# Altium PCB VALVEBOARD_Kun.PcbDoc (part 1 of 13) (continued)
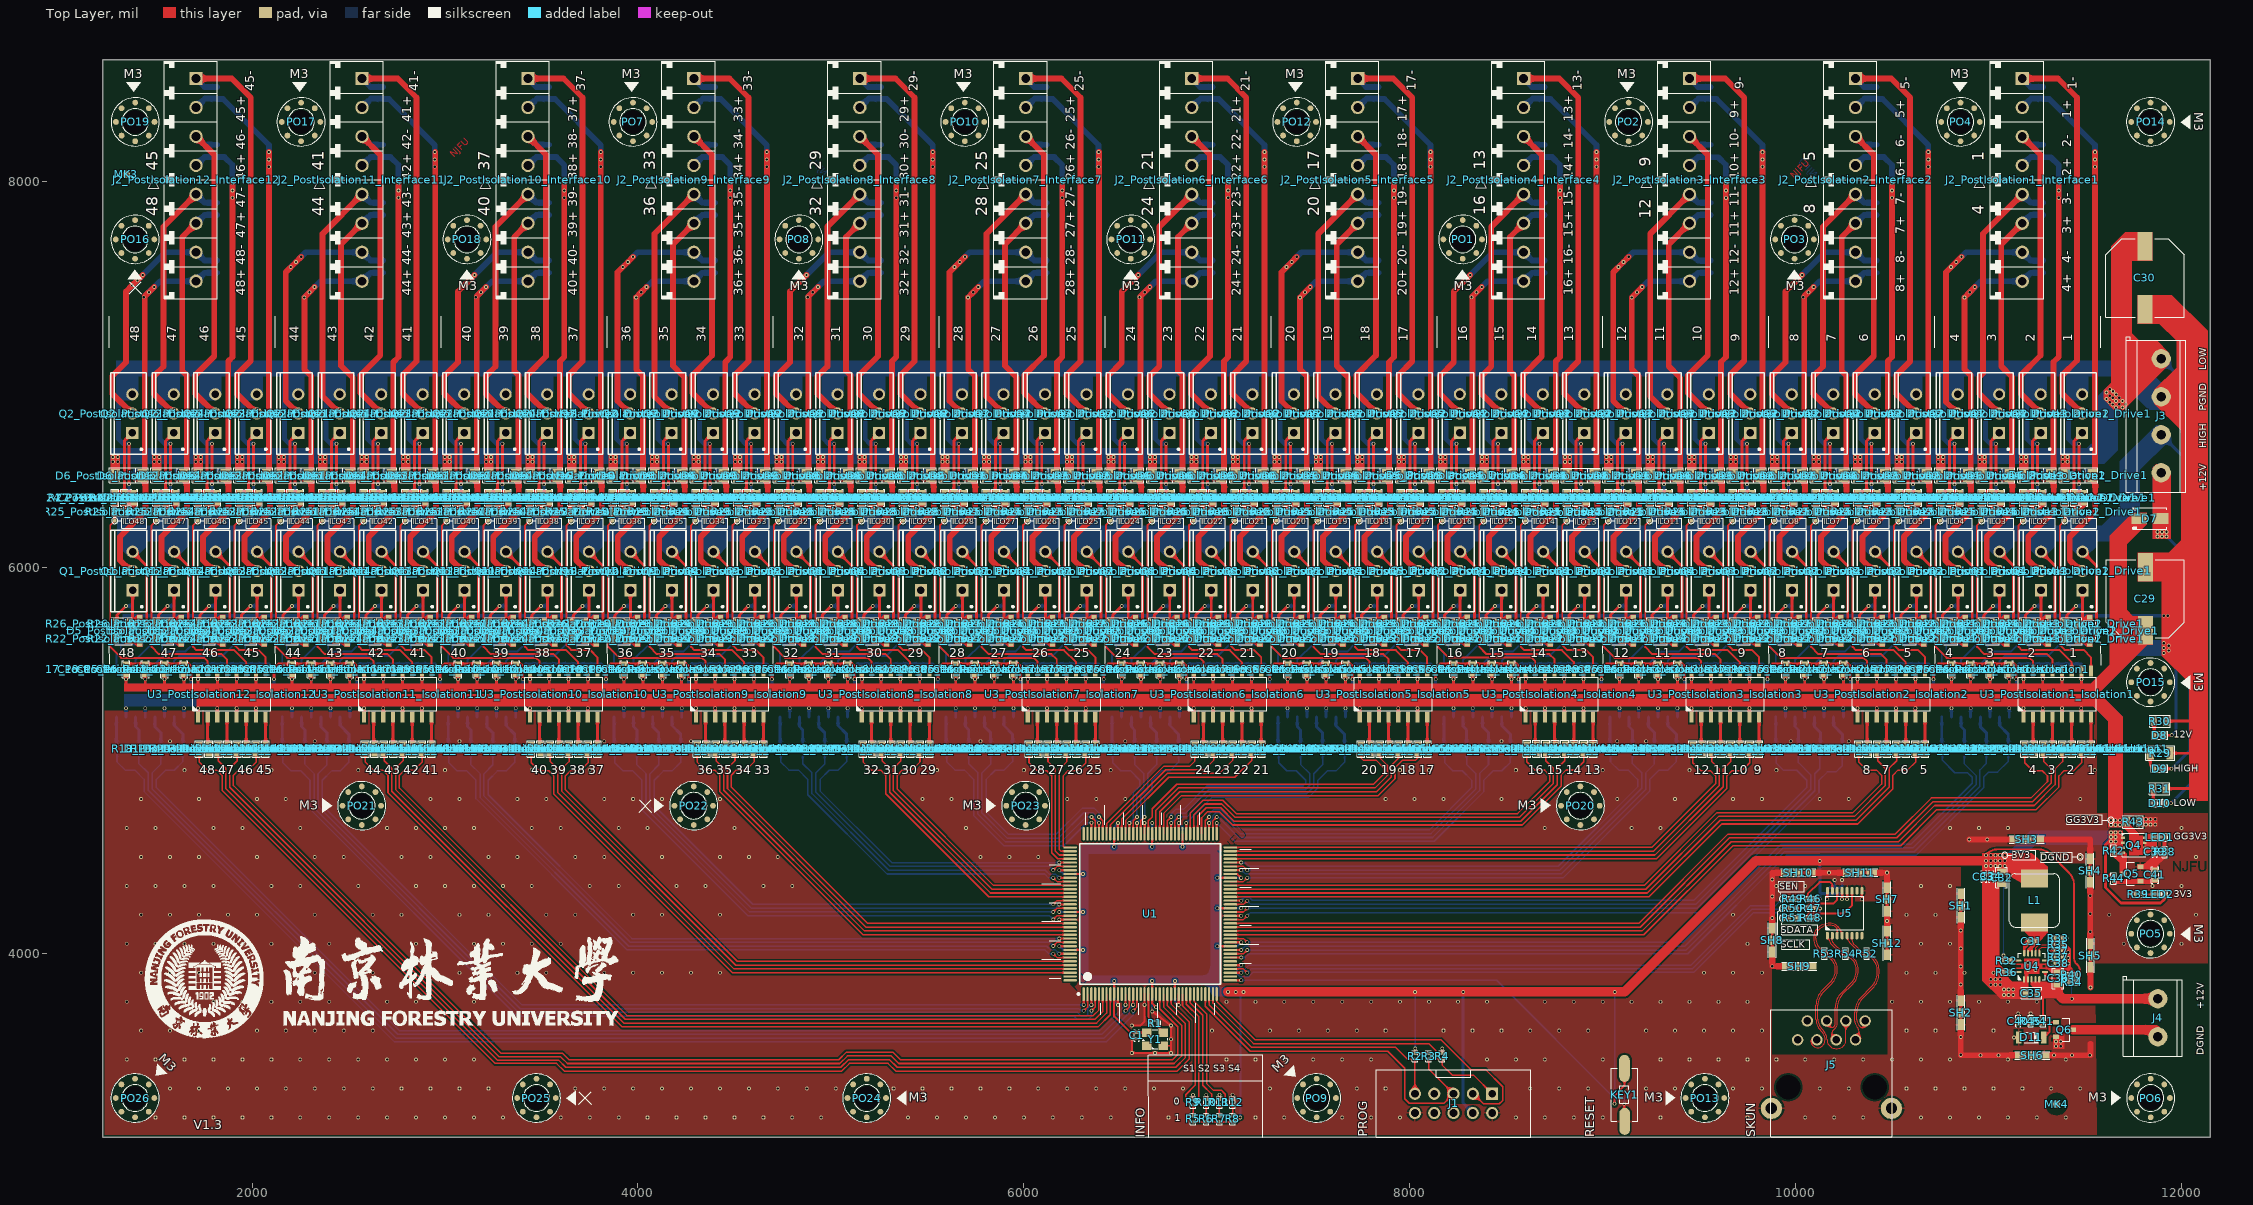
[diagram p0: Top Layer view]
## Design rules (kind name [scope] priority, off if disabled: settings) (continued)
RoomDefinition PostIsolation11_Interface11 [InComponentClass('PostIsolation11_Interface11')] p73 off: confinementstyle=ConfineIn formatcopy=TRUE lockcomponents=FALSE outline 2968.4,7008.52 2968.4,8631.57 2118.34,8631.57 2118.34,7008.52
RoomDefinition PostIsolation11_Drive4 [InComponentClass('PostIsolation11_Drive4')] p74 off: confinementstyle=ConfineIn formatcopy=TRUE lockcomponents=FALSE outline 2322.8,5585.3 2322.8,7008.45 2118.34,7008.45 2118.34,5585.3
RoomDefinition PostIsolation11_Drive3 [InComponentClass('PostIsolation11_Drive3')] p75 off: confinementstyle=ConfineIn formatcopy=TRUE lockcomponents=FALSE outline 2537.81,5585.3 2537.81,7008.45 2333.35,7008.45 2333.35,5585.3
RoomDefinition PostIsolation11_Drive2 [InComponentClass('PostIsolation11_Drive2')] p76 off: confinementstyle=ConfineIn formatcopy=TRUE lockcomponents=FALSE outline 2752.83,5585.3 2752.83,7008.45 2548.37,7008.45 2548.37,5585.3
RoutingVias [All] p1: holewidth=11.81 width=19.68 viastyle="Through Hole" minholewidth=11.81 minwidth=19.68 maxholewidth=11.81 maxwidth=19.68
SilkToSilkClearance [All] p1 off: silktosilkclearance=10
SilkToSolderMaskClearance [IsPad] p1 off: minsilkscreentomaskgap=10 clearancetoexposedcopper=TRUE
SolderMaskExpansion SolderMaskExpansion_1 [IsVia] p1: expansion=4 istentingtop=TRUE
SolderMaskExpansion [All] p2: expansion=1.97 istentingtop=FALSE
Width [All] p1: maxlimit=100 minlimit=5 preferedwidth=10
23 further rules are at their usual default settings.

## Classes and differential pairs
component class PostIsolation12_Isolation12: C15_PostIsolation12_Isolation12 C16_PostIsolation12_Isolation12 C17_PostIsolation12_Isolation12 C18_PostIsolation12_Isolation12 C19_PostIsolation12_Isolation12 C20_PostIsolation12_Isolation12 C21_PostIsolation12_Isolation12 C22_PostIsolation12_Isolation12 D1_PostIsolation12_Isolation12 D2_PostIsolation12_Isolation12 D3_PostIsolation12_Isolation12 D4_PostIsolation12_Isolation12 R14_PostIsolation12_Isolation12 R15_PostIsolation12_Isolation12 R16_PostIsolation12_Isolation12 R17_PostIsolation12_Isolation12 R18_PostIsolation12_Isolation12 R19_PostIsolation12_Isolation12 R20_PostIsolation12_Isolation12 R21_PostIsolation12_Isolation12 U2_PostIsolation12_Isolation12 U3_PostIsolation12_Isolation12
component class PostIsolation12_Interface12: C23_PostIsolation12_Interface12 C24_PostIsolation12_Interface12 C25_PostIsolation12_Interface12 C26_PostIsolation12_Interface12 J2_PostIsolation12_Interface12
component class PostIsolation12_Drive4: C27_PostIsolation12_Drive4 C28_PostIsolation12_Drive4 D5_PostIsolation12_Drive4 D6_PostIsolation12_Drive4 Q1_PostIsolation12_Drive4 Q2_PostIsolation12_Drive4 Q3_PostIsolation12_Drive4 R22_PostIsolation12_Drive4 R23_PostIsolation12_Drive4 R24_PostIsolation12_Drive4 R25_PostIsolation12_Drive4 R26_PostIsolation12_Drive4 R27_PostIsolation12_Drive4 R28_PostIsolation12_Drive4
component class PostIsolation12_Drive3: C27_PostIsolation12_Drive3 C28_PostIsolation12_Drive3 D5_PostIsolation12_Drive3 D6_PostIsolation12_Drive3 Q1_PostIsolation12_Drive3 Q2_PostIsolation12_Drive3 Q3_PostIsolation12_Drive3 R22_PostIsolation12_Drive3 R23_PostIsolation12_Drive3 R24_PostIsolation12_Drive3 R25_PostIsolation12_Drive3 R26_PostIsolation12_Drive3 R27_PostIsolation12_Drive3 R28_PostIsolation12_Drive3
component class PostIsolation12_Drive2: C27_PostIsolation12_Drive2 C28_PostIsolation12_Drive2 D5_PostIsolation12_Drive2 D6_PostIsolation12_Drive2 Q1_PostIsolation12_Drive2 Q2_PostIsolation12_Drive2 Q3_PostIsolation12_Drive2 R22_PostIsolation12_Drive2 R23_PostIsolation12_Drive2 R24_PostIsolation12_Drive2 R25_PostIsolation12_Drive2 R26_PostIsolation12_Drive2 R27_PostIsolation12_Drive2 R28_PostIsolation12_Drive2
component class PostIsolation12_Drive1: C27_PostIsolation12_Drive1 C28_PostIsolation12_Drive1 D5_PostIsolation12_Drive1 D6_PostIsolation12_Drive1 Q1_PostIsolation12_Drive1 Q2_PostIsolation12_Drive1 Q3_PostIsolation12_Drive1 R22_PostIsolation12_Drive1 R23_PostIsolation12_Drive1 R24_PostIsolation12_Drive1 R25_PostIsolation12_Drive1 R26_PostIsolation12_Drive1 R27_PostIsolation12_Drive1 R28_PostIsolation12_Drive1
component class PostIsolation11_Isolation11: C15_PostIsolation11_Isolation11 C16_PostIsolation11_Isolation11 C17_PostIsolation11_Isolation11 C18_PostIsolation11_Isolation11 C19_PostIsolation11_Isolation11 C20_PostIsolation11_Isolation11 C21_PostIsolation11_Isolation11 C22_PostIsolation11_Isolation11 D1_PostIsolation11_Isolation11 D2_PostIsolation11_Isolation11 D3_PostIsolation11_Isolation11 D4_PostIsolation11_Isolation11 R14_PostIsolation11_Isolation11 R15_PostIsolation11_Isolation11 R16_PostIsolation11_Isolation11 R17_PostIsolation11_Isolation11 R18_PostIsolation11_Isolation11 R19_PostIsolation11_Isolation11 R20_PostIsolation11_Isolation11 R21_PostIsolation11_Isolation11 U2_PostIsolation11_Isolation11 U3_PostIsolation11_Isolation11
component class PostIsolation11_Interface11: C23_PostIsolation11_Interface11 C24_PostIsolation11_Interface11 C25_PostIsolation11_Interface11 C26_PostIsolation11_Interface11 J2_PostIsolation11_Interface11
component class PostIsolation11_Drive4: C27_PostIsolation11_Drive4 C28_PostIsolation11_Drive4 D5_PostIsolation11_Drive4 D6_PostIsolation11_Drive4 Q1_PostIsolation11_Drive4 Q2_PostIsolation11_Drive4 Q3_PostIsolation11_Drive4 R22_PostIsolation11_Drive4 R23_PostIsolation11_Drive4 R24_PostIsolation11_Drive4 R25_PostIsolation11_Drive4 R26_PostIsolation11_Drive4 R27_PostIsolation11_Drive4 R28_PostIsolation11_Drive4
component class PostIsolation11_Drive3: C27_PostIsolation11_Drive3 C28_PostIsolation11_Drive3 D5_PostIsolation11_Drive3 D6_PostIsolation11_Drive3 Q1_PostIsolation11_Drive3 Q2_PostIsolation11_Drive3 Q3_PostIsolation11_Drive3 R22_PostIsolation11_Drive3 R23_PostIsolation11_Drive3 R24_PostIsolation11_Drive3 R25_PostIsolation11_Drive3 R26_PostIsolation11_Drive3 R27_PostIsolation11_Drive3 R28_PostIsolation11_Drive3
component class PostIsolation11_Drive2: C27_PostIsolation11_Drive2 C28_PostIsolation11_Drive2 D5_PostIsolation11_Drive2 D6_PostIsolation11_Drive2 Q1_PostIsolation11_Drive2 Q2_PostIsolation11_Drive2 Q3_PostIsolation11_Drive2 R22_PostIsolation11_Drive2 R23_PostIsolation11_Drive2 R24_PostIsolation11_Drive2 R25_PostIsolation11_Drive2 R26_PostIsolation11_Drive2 R27_PostIsolation11_Drive2 R28_PostIsolation11_Drive2
component class PostIsolation11_Drive1: C27_PostIsolation11_Drive1 C28_PostIsolation11_Drive1 D5_PostIsolation11_Drive1 D6_PostIsolation11_Drive1 Q1_PostIsolation11_Drive1 Q2_PostIsolation11_Drive1 Q3_PostIsolation11_Drive1 R22_PostIsolation11_Drive1 R23_PostIsolation11_Drive1 R24_PostIsolation11_Drive1 R25_PostIsolation11_Drive1 R26_PostIsolation11_Drive1 R27_PostIsolation11_Drive1 R28_PostIsolation11_Drive1
component class PostIsolation10_Isolation10: C15_PostIsolation10_Isolation10 C16_PostIsolation10_Isolation10 C17_PostIsolation10_Isolation10 C18_PostIsolation10_Isolation10 C19_PostIsolation10_Isolation10 C20_PostIsolation10_Isolation10 C21_PostIsolation10_Isolation10 C22_PostIsolation10_Isolation10 D1_PostIsolation10_Isolation10 D2_PostIsolation10_Isolation10 D3_PostIsolation10_Isolation10 D4_PostIsolation10_Isolation10 R14_PostIsolation10_Isolation10 R15_PostIsolation10_Isolation10 R16_PostIsolation10_Isolation10 R17_PostIsolation10_Isolation10 R18_PostIsolation10_Isolation10 R19_PostIsolation10_Isolation10 R20_PostIsolation10_Isolation10 R21_PostIsolation10_Isolation10 U2_PostIsolation10_Isolation10 U3_PostIsolation10_Isolation10
component class PostIsolation10_Interface10: C23_PostIsolation10_Interface10 C24_PostIsolation10_Interface10 C25_PostIsolation10_Interface10 C26_PostIsolation10_Interface10 J2_PostIsolation10_Interface10
component class PostIsolation10_Drive4: C27_PostIsolation10_Drive4 C28_PostIsolation10_Drive4 D5_PostIsolation10_Drive4 D6_PostIsolation10_Drive4 Q1_PostIsolation10_Drive4 Q2_PostIsolation10_Drive4 Q3_PostIsolation10_Drive4 R22_PostIsolation10_Drive4 R23_PostIsolation10_Drive4 R24_PostIsolation10_Drive4 R25_PostIsolation10_Drive4 R26_PostIsolation10_Drive4 R27_PostIsolation10_Drive4 R28_PostIsolation10_Drive4
component class PostIsolation10_Drive3: C27_PostIsolation10_Drive3 C28_PostIsolation10_Drive3 D5_PostIsolation10_Drive3 D6_PostIsolation10_Drive3 Q1_PostIsolation10_Drive3 Q2_PostIsolation10_Drive3 Q3_PostIsolation10_Drive3 R22_PostIsolation10_Drive3 R23_PostIsolation10_Drive3 R24_PostIsolation10_Drive3 R25_PostIsolation10_Drive3 R26_PostIsolation10_Drive3 R27_PostIsolation10_Drive3 R28_PostIsolation10_Drive3
component class PostIsolation10_Drive2: C27_PostIsolation10_Drive2 C28_PostIsolation10_Drive2 D5_PostIsolation10_Drive2 D6_PostIsolation10_Drive2 Q1_PostIsolation10_Drive2 Q2_PostIsolation10_Drive2 Q3_PostIsolation10_Drive2 R22_PostIsolation10_Drive2 R23_PostIsolation10_Drive2 R24_PostIsolation10_Drive2 R25_PostIsolation10_Drive2 R26_PostIsolation10_Drive2 R27_PostIsolation10_Drive2 R28_PostIsolation10_Drive2
component class PostIsolation10_Drive1: C27_PostIsolation10_Drive1 C28_PostIsolation10_Drive1 D5_PostIsolation10_Drive1 D6_PostIsolation10_Drive1 Q1_PostIsolation10_Drive1 Q2_PostIsolation10_Drive1 Q3_PostIsolation10_Drive1 R22_PostIsolation10_Drive1 R23_PostIsolation10_Drive1 R24_PostIsolation10_Drive1 R25_PostIsolation10_Drive1 R26_PostIsolation10_Drive1 R27_PostIsolation10_Drive1 R28_PostIsolation10_Drive1
component class PostIsolation9_Isolation9: C15_PostIsolation9_Isolation9 C16_PostIsolation9_Isolation9 C17_PostIsolation9_Isolation9 C18_PostIsolation9_Isolation9 C19_PostIsolation9_Isolation9 C20_PostIsolation9_Isolation9 C21_PostIsolation9_Isolation9 C22_PostIsolation9_Isolation9 D1_PostIsolation9_Isolation9 D2_PostIsolation9_Isolation9 D3_PostIsolation9_Isolation9 D4_PostIsolation9_Isolation9 R14_PostIsolation9_Isolation9 R15_PostIsolation9_Isolation9 R16_PostIsolation9_Isolation9 R17_PostIsolation9_Isolation9 R18_PostIsolation9_Isolation9 R19_PostIsolation9_Isolation9 R20_PostIsolation9_Isolation9 R21_PostIsolation9_Isolation9 U2_PostIsolation9_Isolation9 U3_PostIsolation9_Isolation9
component class PostIsolation9_Interface9: C23_PostIsolation9_Interface9 C24_PostIsolation9_Interface9 C25_PostIsolation9_Interface9 C26_PostIsolation9_Interface9 J2_PostIsolation9_Interface9
component class PostIsolation9_Drive4: C27_PostIsolation9_Drive4 C28_PostIsolation9_Drive4 D5_PostIsolation9_Drive4 D6_PostIsolation9_Drive4 Q1_PostIsolation9_Drive4 Q2_PostIsolation9_Drive4 Q3_PostIsolation9_Drive4 R22_PostIsolation9_Drive4 R23_PostIsolation9_Drive4 R24_PostIsolation9_Drive4 R25_PostIsolation9_Drive4 R26_PostIsolation9_Drive4 R27_PostIsolation9_Drive4 R28_PostIsolation9_Drive4
component class PostIsolation9_Drive3: C27_PostIsolation9_Drive3 C28_PostIsolation9_Drive3 D5_PostIsolation9_Drive3 D6_PostIsolation9_Drive3 Q1_PostIsolation9_Drive3 Q2_PostIsolation9_Drive3 Q3_PostIsolation9_Drive3 R22_PostIsolation9_Drive3 R23_PostIsolation9_Drive3 R24_PostIsolation9_Drive3 R25_PostIsolation9_Drive3 R26_PostIsolation9_Drive3 R27_PostIsolation9_Drive3 R28_PostIsolation9_Drive3
component class PostIsolation9_Drive2: C27_PostIsolation9_Drive2 C28_PostIsolation9_Drive2 D5_PostIsolation9_Drive2 D6_PostIsolation9_Drive2 Q1_PostIsolation9_Drive2 Q2_PostIsolation9_Drive2 Q3_PostIsolation9_Drive2 R22_PostIsolation9_Drive2 R23_PostIsolation9_Drive2 R24_PostIsolation9_Drive2 R25_PostIsolation9_Drive2 R26_PostIsolation9_Drive2 R27_PostIsolation9_Drive2 R28_PostIsolation9_Drive2
component class PostIsolation9_Drive1: C27_PostIsolation9_Drive1 C28_PostIsolation9_Drive1 D5_PostIsolation9_Drive1 D6_PostIsolation9_Drive1 Q1_PostIsolation9_Drive1 Q2_PostIsolation9_Drive1 Q3_PostIsolation9_Drive1 R22_PostIsolation9_Drive1 R23_PostIsolation9_Drive1 R24_PostIsolation9_Drive1 R25_PostIsolation9_Drive1 R26_PostIsolation9_Drive1 R27_PostIsolation9_Drive1 R28_PostIsolation9_Drive1
component class PostIsolation8_Isolation8: C15_PostIsolation8_Isolation8 C16_PostIsolation8_Isolation8 C17_PostIsolation8_Isolation8 C18_PostIsolation8_Isolation8 C19_PostIsolation8_Isolation8 C20_PostIsolation8_Isolation8 C21_PostIsolation8_Isolation8 C22_PostIsolation8_Isolation8 D1_PostIsolation8_Isolation8 D2_PostIsolation8_Isolation8 D3_PostIsolation8_Isolation8 D4_PostIsolation8_Isolation8 R14_PostIsolation8_Isolation8 R15_PostIsolation8_Isolation8 R16_PostIsolation8_Isolation8 R17_PostIsolation8_Isolation8 R18_PostIsolation8_Isolation8 R19_PostIsolation8_Isolation8 R20_PostIsolation8_Isolation8 R21_PostIsolation8_Isolation8 U2_PostIsolation8_Isolation8 U3_PostIsolation8_Isolation8
component class PostIsolation8_Interface8: C23_PostIsolation8_Interface8 C24_PostIsolation8_Interface8 C25_PostIsolation8_Interface8 C26_PostIsolation8_Interface8 J2_PostIsolation8_Interface8
component class PostIsolation8_Drive4: C27_PostIsolation8_Drive4 C28_PostIsolation8_Drive4 D5_PostIsolation8_Drive4 D6_PostIsolation8_Drive4 Q1_PostIsolation8_Drive4 Q2_PostIsolation8_Drive4 Q3_PostIsolation8_Drive4 R22_PostIsolation8_Drive4 R23_PostIsolation8_Drive4 R24_PostIsolation8_Drive4 R25_PostIsolation8_Drive4 R26_PostIsolation8_Drive4 R27_PostIsolation8_Drive4 R28_PostIsolation8_Drive4
component class PostIsolation8_Drive3: C27_PostIsolation8_Drive3 C28_PostIsolation8_Drive3 D5_PostIsolation8_Drive3 D6_PostIsolation8_Drive3 Q1_PostIsolation8_Drive3 Q2_PostIsolation8_Drive3 Q3_PostIsolation8_Drive3 R22_PostIsolation8_Drive3 R23_PostIsolation8_Drive3 R24_PostIsolation8_Drive3 R25_PostIsolation8_Drive3 R26_PostIsolation8_Drive3 R27_PostIsolation8_Drive3 R28_PostIsolation8_Drive3
component class PostIsolation8_Drive2: C27_PostIsolation8_Drive2 C28_PostIsolation8_Drive2 D5_PostIsolation8_Drive2 D6_PostIsolation8_Drive2 Q1_PostIsolation8_Drive2 Q2_PostIsolation8_Drive2 Q3_PostIsolation8_Drive2 R22_PostIsolation8_Drive2 R23_PostIsolation8_Drive2 R24_PostIsolation8_Drive2 R25_PostIsolation8_Drive2 R26_PostIsolation8_Drive2 R27_PostIsolation8_Drive2 R28_PostIsolation8_Drive2
component class PostIsolation8_Drive1: C27_PostIsolation8_Drive1 C28_PostIsolation8_Drive1 D5_PostIsolation8_Drive1 D6_PostIsolation8_Drive1 Q1_PostIsolation8_Drive1 Q2_PostIsolation8_Drive1 Q3_PostIsolation8_Drive1 R22_PostIsolation8_Drive1 R23_PostIsolation8_Drive1 R24_PostIsolation8_Drive1 R25_PostIsolation8_Drive1 R26_PostIsolation8_Drive1 R27_PostIsolation8_Drive1 R28_PostIsolation8_Drive1
component class PostIsolation7_Isolation7: C15_PostIsolation7_Isolation7 C16_PostIsolation7_Isolation7 C17_PostIsolation7_Isolation7 C18_PostIsolation7_Isolation7 C19_PostIsolation7_Isolation7 C20_PostIsolation7_Isolation7 C21_PostIsolation7_Isolation7 C22_PostIsolation7_Isolation7 D1_PostIsolation7_Isolation7 D2_PostIsolation7_Isolation7 D3_PostIsolation7_Isolation7 D4_PostIsolation7_Isolation7 R14_PostIsolation7_Isolation7 R15_PostIsolation7_Isolation7 R16_PostIsolation7_Isolation7 R17_PostIsolation7_Isolation7 R18_PostIsolation7_Isolation7 R19_PostIsolation7_Isolation7 R20_PostIsolation7_Isolation7 R21_PostIsolation7_Isolation7 U2_PostIsolation7_Isolation7 U3_PostIsolation7_Isolation7
component class PostIsolation7_Interface7: C23_PostIsolation7_Interface7 C24_PostIsolation7_Interface7 C25_PostIsolation7_Interface7 C26_PostIsolation7_Interface7 J2_PostIsolation7_Interface7
component class PostIsolation7_Drive4: C27_PostIsolation7_Drive4 C28_PostIsolation7_Drive4 D5_PostIsolation7_Drive4 D6_PostIsolation7_Drive4 Q1_PostIsolation7_Drive4 Q2_PostIsolation7_Drive4 Q3_PostIsolation7_Drive4 R22_PostIsolation7_Drive4 R23_PostIsolation7_Drive4 R24_PostIsolation7_Drive4 R25_PostIsolation7_Drive4 R26_PostIsolation7_Drive4 R27_PostIsolation7_Drive4 R28_PostIsolation7_Drive4
component class PostIsolation7_Drive3: C27_PostIsolation7_Drive3 C28_PostIsolation7_Drive3 D5_PostIsolation7_Drive3 D6_PostIsolation7_Drive3 Q1_PostIsolation7_Drive3 Q2_PostIsolation7_Drive3 Q3_PostIsolation7_Drive3 R22_PostIsolation7_Drive3 R23_PostIsolation7_Drive3 R24_PostIsolation7_Drive3 R25_PostIsolation7_Drive3 R26_PostIsolation7_Drive3 R27_PostIsolation7_Drive3 R28_PostIsolation7_Drive3
component class PostIsolation7_Drive2: C27_PostIsolation7_Drive2 C28_PostIsolation7_Drive2 D5_PostIsolation7_Drive2 D6_PostIsolation7_Drive2 Q1_PostIsolation7_Drive2 Q2_PostIsolation7_Drive2 Q3_PostIsolation7_Drive2 R22_PostIsolation7_Drive2 R23_PostIsolation7_Drive2 R24_PostIsolation7_Drive2 R25_PostIsolation7_Drive2 R26_PostIsolation7_Drive2 R27_PostIsolation7_Drive2 R28_PostIsolation7_Drive2
component class PostIsolation7_Drive1: C27_PostIsolation7_Drive1 C28_PostIsolation7_Drive1 D5_PostIsolation7_Drive1 D6_PostIsolation7_Drive1 Q1_PostIsolation7_Drive1 Q2_PostIsolation7_Drive1 Q3_PostIsolation7_Drive1 R22_PostIsolation7_Drive1 R23_PostIsolation7_Drive1 R24_PostIsolation7_Drive1 R25_PostIsolation7_Drive1 R26_PostIsolation7_Drive1 R27_PostIsolation7_Drive1 R28_PostIsolation7_Drive1
component class PostIsolation6_Isolation6: C15_PostIsolation6_Isolation6 C16_PostIsolation6_Isolation6 C17_PostIsolation6_Isolation6 C18_PostIsolation6_Isolation6 C19_PostIsolation6_Isolation6 C20_PostIsolation6_Isolation6 C21_PostIsolation6_Isolation6 C22_PostIsolation6_Isolation6 D1_PostIsolation6_Isolation6 D2_PostIsolation6_Isolation6 D3_PostIsolation6_Isolation6 D4_PostIsolation6_Isolation6 R14_PostIsolation6_Isolation6 R15_PostIsolation6_Isolation6 R16_PostIsolation6_Isolation6 R17_PostIsolation6_Isolation6 R18_PostIsolation6_Isolation6 R19_PostIsolation6_Isolation6 R20_PostIsolation6_Isolation6 R21_PostIsolation6_Isolation6 U2_PostIsolation6_Isolation6 U3_PostIsolation6_Isolation6
component class PostIsolation6_Interface6: C23_PostIsolation6_Interface6 C24_PostIsolation6_Interface6 C25_PostIsolation6_Interface6 C26_PostIsolation6_Interface6 J2_PostIsolation6_Interface6
component class PostIsolation6_Drive4: C27_PostIsolation6_Drive4 C28_PostIsolation6_Drive4 D5_PostIsolation6_Drive4 D6_PostIsolation6_Drive4 Q1_PostIsolation6_Drive4 Q2_PostIsolation6_Drive4 Q3_PostIsolation6_Drive4 R22_PostIsolation6_Drive4 R23_PostIsolation6_Drive4 R24_PostIsolation6_Drive4 R25_PostIsolation6_Drive4 R26_PostIsolation6_Drive4 R27_PostIsolation6_Drive4 R28_PostIsolation6_Drive4
component class PostIsolation6_Drive3: C27_PostIsolation6_Drive3 C28_PostIsolation6_Drive3 D5_PostIsolation6_Drive3 D6_PostIsolation6_Drive3 Q1_PostIsolation6_Drive3 Q2_PostIsolation6_Drive3 Q3_PostIsolation6_Drive3 R22_PostIsolation6_Drive3 R23_PostIsolation6_Drive3 R24_PostIsolation6_Drive3 R25_PostIsolation6_Drive3 R26_PostIsolation6_Drive3 R27_PostIsolation6_Drive3 R28_PostIsolation6_Drive3
component class PostIsolation6_Drive2: C27_PostIsolation6_Drive2 C28_PostIsolation6_Drive2 D5_PostIsolation6_Drive2 D6_PostIsolation6_Drive2 Q1_PostIsolation6_Drive2 Q2_PostIsolation6_Drive2 Q3_PostIsolation6_Drive2 R22_PostIsolation6_Drive2 R23_PostIsolation6_Drive2 R24_PostIsolation6_Drive2 R25_PostIsolation6_Drive2 R26_PostIsolation6_Drive2 R27_PostIsolation6_Drive2 R28_PostIsolation6_Drive2
component class PostIsolation6_Drive1: C27_PostIsolation6_Drive1 C28_PostIsolation6_Drive1 D5_PostIsolation6_Drive1 D6_PostIsolation6_Drive1 Q1_PostIsolation6_Drive1 Q2_PostIsolation6_Drive1 Q3_PostIsolation6_Drive1 R22_PostIsolation6_Drive1 R23_PostIsolation6_Drive1 R24_PostIsolation6_Drive1 R25_PostIsolation6_Drive1 R26_PostIsolation6_Drive1 R27_PostIsolation6_Drive1 R28_PostIsolation6_Drive1
component class PostIsolation5_Isolation5: C15_PostIsolation5_Isolation5 C16_PostIsolation5_Isolation5 C17_PostIsolation5_Isolation5 C18_PostIsolation5_Isolation5 C19_PostIsolation5_Isolation5 C20_PostIsolation5_Isolation5 C21_PostIsolation5_Isolation5 C22_PostIsolation5_Isolation5 D1_PostIsolation5_Isolation5 D2_PostIsolation5_Isolation5 D3_PostIsolation5_Isolation5 D4_PostIsolation5_Isolation5 R14_PostIsolation5_Isolation5 R15_PostIsolation5_Isolation5 R16_PostIsolation5_Isolation5 R17_PostIsolation5_Isolation5 R18_PostIsolation5_Isolation5 R19_PostIsolation5_Isolation5 R20_PostIsolation5_Isolation5 R21_PostIsolation5_Isolation5 U2_PostIsolation5_Isolation5 U3_PostIsolation5_Isolation5
component class PostIsolation5_Interface5: C23_PostIsolation5_Interface5 C24_PostIsolation5_Interface5 C25_PostIsolation5_Interface5 C26_PostIsolation5_Interface5 J2_PostIsolation5_Interface5
component class PostIsolation5_Drive4: C27_PostIsolation5_Drive4 C28_PostIsolation5_Drive4 D5_PostIsolation5_Drive4 D6_PostIsolation5_Drive4 Q1_PostIsolation5_Drive4 Q2_PostIsolation5_Drive4 Q3_PostIsolation5_Drive4 R22_PostIsolation5_Drive4 R23_PostIsolation5_Drive4 R24_PostIsolation5_Drive4 R25_PostIsolation5_Drive4 R26_PostIsolation5_Drive4 R27_PostIsolation5_Drive4 R28_PostIsolation5_Drive4
component class PostIsolation5_Drive3: C27_PostIsolation5_Drive3 C28_PostIsolation5_Drive3 D5_PostIsolation5_Drive3 D6_PostIsolation5_Drive3 Q1_PostIsolation5_Drive3 Q2_PostIsolation5_Drive3 Q3_PostIsolation5_Drive3 R22_PostIsolation5_Drive3 R23_PostIsolation5_Drive3 R24_PostIsolation5_Drive3 R25_PostIsolation5_Drive3 R26_PostIsolation5_Drive3 R27_PostIsolation5_Drive3 R28_PostIsolation5_Drive3
component class PostIsolation5_Drive2: C27_PostIsolation5_Drive2 C28_PostIsolation5_Drive2 D5_PostIsolation5_Drive2 D6_PostIsolation5_Drive2 Q1_PostIsolation5_Drive2 Q2_PostIsolation5_Drive2 Q3_PostIsolation5_Drive2 R22_PostIsolation5_Drive2 R23_PostIsolation5_Drive2 R24_PostIsolation5_Drive2 R25_PostIsolation5_Drive2 R26_PostIsolation5_Drive2 R27_PostIsolation5_Drive2 R28_PostIsolation5_Drive2
component class PostIsolation5_Drive1: C27_PostIsolation5_Drive1 C28_PostIsolation5_Drive1 D5_PostIsolation5_Drive1 D6_PostIsolation5_Drive1 Q1_PostIsolation5_Drive1 Q2_PostIsolation5_Drive1 Q3_PostIsolation5_Drive1 R22_PostIsolation5_Drive1 R23_PostIsolation5_Drive1 R24_PostIsolation5_Drive1 R25_PostIsolation5_Drive1 R26_PostIsolation5_Drive1 R27_PostIsolation5_Drive1 R28_PostIsolation5_Drive1
component class PostIsolation4_Isolation4: C15_PostIsolation4_Isolation4 C16_PostIsolation4_Isolation4 C17_PostIsolation4_Isolation4 C18_PostIsolation4_Isolation4 C19_PostIsolation4_Isolation4 C20_PostIsolation4_Isolation4 C21_PostIsolation4_Isolation4 C22_PostIsolation4_Isolation4 D1_PostIsolation4_Isolation4 D2_PostIsolation4_Isolation4 D3_PostIsolation4_Isolation4 D4_PostIsolation4_Isolation4 R14_PostIsolation4_Isolation4 R15_PostIsolation4_Isolation4 R16_PostIsolation4_Isolation4 R17_PostIsolation4_Isolation4 R18_PostIsolation4_Isolation4 R19_PostIsolation4_Isolation4 R20_PostIsolation4_Isolation4 R21_PostIsolation4_Isolation4 U2_PostIsolation4_Isolation4 U3_PostIsolation4_Isolation4
component class PostIsolation4_Interface4: C23_PostIsolation4_Interface4 C24_PostIsolation4_Interface4 C25_PostIsolation4_Interface4 C26_PostIsolation4_Interface4 J2_PostIsolation4_Interface4
component class PostIsolation4_Drive4: C27_PostIsolation4_Drive4 C28_PostIsolation4_Drive4 D5_PostIsolation4_Drive4 D6_PostIsolation4_Drive4 Q1_PostIsolation4_Drive4 Q2_PostIsolation4_Drive4 Q3_PostIsolation4_Drive4 R22_PostIsolation4_Drive4 R23_PostIsolation4_Drive4 R24_PostIsolation4_Drive4 R25_PostIsolation4_Drive4 R26_PostIsolation4_Drive4 R27_PostIsolation4_Drive4 R28_PostIsolation4_Drive4
component class PostIsolation4_Drive3: C27_PostIsolation4_Drive3 C28_PostIsolation4_Drive3 D5_PostIsolation4_Drive3 D6_PostIsolation4_Drive3 Q1_PostIsolation4_Drive3 Q2_PostIsolation4_Drive3 Q3_PostIsolation4_Drive3 R22_PostIsolation4_Drive3 R23_PostIsolation4_Drive3 R24_PostIsolation4_Drive3 R25_PostIsolation4_Drive3 R26_PostIsolation4_Drive3 R27_PostIsolation4_Drive3 R28_PostIsolation4_Drive3
component class PostIsolation4_Drive2: C27_PostIsolation4_Drive2 C28_PostIsolation4_Drive2 D5_PostIsolation4_Drive2 D6_PostIsolation4_Drive2 Q1_PostIsolation4_Drive2 Q2_PostIsolation4_Drive2 Q3_PostIsolation4_Drive2 R22_PostIsolation4_Drive2 R23_PostIsolation4_Drive2 R24_PostIsolation4_Drive2 R25_PostIsolation4_Drive2 R26_PostIsolation4_Drive2 R27_PostIsolation4_Drive2 R28_PostIsolation4_Drive2
component class PostIsolation4_Drive1: C27_PostIsolation4_Drive1 C28_PostIsolation4_Drive1 D5_PostIsolation4_Drive1 D6_PostIsolation4_Drive1 Q1_PostIsolation4_Drive1 Q2_PostIsolation4_Drive1 Q3_PostIsolation4_Drive1 R22_PostIsolation4_Drive1 R23_PostIsolation4_Drive1 R24_PostIsolation4_Drive1 R25_PostIsolation4_Drive1 R26_PostIsolation4_Drive1 R27_PostIsolation4_Drive1 R28_PostIsolation4_Drive1
component class PostIsolation3_Isolation3: C15_PostIsolation3_Isolation3 C16_PostIsolation3_Isolation3 C17_PostIsolation3_Isolation3 C18_PostIsolation3_Isolation3 C19_PostIsolation3_Isolation3 C20_PostIsolation3_Isolation3 C21_PostIsolation3_Isolation3 C22_PostIsolation3_Isolation3 D1_PostIsolation3_Isolation3 D2_PostIsolation3_Isolation3 D3_PostIsolation3_Isolation3 D4_PostIsolation3_Isolation3 R14_PostIsolation3_Isolation3 R15_PostIsolation3_Isolation3 R16_PostIsolation3_Isolation3 R17_PostIsolation3_Isolation3 R18_PostIsolation3_Isolation3 R19_PostIsolation3_Isolation3 R20_PostIsolation3_Isolation3 R21_PostIsolation3_Isolation3 U2_PostIsolation3_Isolation3 U3_PostIsolation3_Isolation3
component class PostIsolation3_Interface3: C23_PostIsolation3_Interface3 C24_PostIsolation3_Interface3 C25_PostIsolation3_Interface3 C26_PostIsolation3_Interface3 J2_PostIsolation3_Interface3
component class PostIsolation3_Drive4: C27_PostIsolation3_Drive4 C28_PostIsolation3_Drive4 D5_PostIsolation3_Drive4 D6_PostIsolation3_Drive4 Q1_PostIsolation3_Drive4 Q2_PostIsolation3_Drive4 Q3_PostIsolation3_Drive4 R22_PostIsolation3_Drive4 R23_PostIsolation3_Drive4 R24_PostIsolation3_Drive4 R25_PostIsolation3_Drive4 R26_PostIsolation3_Drive4 R27_PostIsolation3_Drive4 R28_PostIsolation3_Drive4
component class PostIsolation3_Drive3: C27_PostIsolation3_Drive3 C28_PostIsolation3_Drive3 D5_PostIsolation3_Drive3 D6_PostIsolation3_Drive3 Q1_PostIsolation3_Drive3 Q2_PostIsolation3_Drive3 Q3_PostIsolation3_Drive3 R22_PostIsolation3_Drive3 R23_PostIsolation3_Drive3 R24_PostIsolation3_Drive3 R25_PostIsolation3_Drive3 R26_PostIsolation3_Drive3 R27_PostIsolation3_Drive3 R28_PostIsolation3_Drive3
component class PostIsolation3_Drive2: C27_PostIsolation3_Drive2 C28_PostIsolation3_Drive2 D5_PostIsolation3_Drive2 D6_PostIsolation3_Drive2 Q1_PostIsolation3_Drive2 Q2_PostIsolation3_Drive2 Q3_PostIsolation3_Drive2 R22_PostIsolation3_Drive2 R23_PostIsolation3_Drive2 R24_PostIsolation3_Drive2 R25_PostIsolation3_Drive2 R26_PostIsolation3_Drive2 R27_PostIsolation3_Drive2 R28_PostIsolation3_Drive2
component class PostIsolation3_Drive1: C27_PostIsolation3_Drive1 C28_PostIsolation3_Drive1 D5_PostIsolation3_Drive1 D6_PostIsolation3_Drive1 Q1_PostIsolation3_Drive1 Q2_PostIsolation3_Drive1 Q3_PostIsolation3_Drive1 R22_PostIsolation3_Drive1 R23_PostIsolation3_Drive1 R24_PostIsolation3_Drive1 R25_PostIsolation3_Drive1 R26_PostIsolation3_Drive1 R27_PostIsolation3_Drive1 R28_PostIsolation3_Drive1
component class PostIsolation2_Isolation2: C15_PostIsolation2_Isolation2 C16_PostIsolation2_Isolation2 C17_PostIsolation2_Isolation2 C18_PostIsolation2_Isolation2 C19_PostIsolation2_Isolation2 C20_PostIsolation2_Isolation2 C21_PostIsolation2_Isolation2 C22_PostIsolation2_Isolation2 D1_PostIsolation2_Isolation2 D2_PostIsolation2_Isolation2 D3_PostIsolation2_Isolation2 D4_PostIsolation2_Isolation2 R14_PostIsolation2_Isolation2 R15_PostIsolation2_Isolation2 R16_PostIsolation2_Isolation2 R17_PostIsolation2_Isolation2 R18_PostIsolation2_Isolation2 R19_PostIsolation2_Isolation2 R20_PostIsolation2_Isolation2 R21_PostIsolation2_Isolation2 U2_PostIsolation2_Isolation2 U3_PostIsolation2_Isolation2
component class PostIsolation2_Interface2: C23_PostIsolation2_Interface2 C24_PostIsolation2_Interface2 C25_PostIsolation2_Interface2 C26_PostIsolation2_Interface2 J2_PostIsolation2_Interface2
component class PostIsolation2_Drive4: C27_PostIsolation2_Drive4 C28_PostIsolation2_Drive4 D5_PostIsolation2_Drive4 D6_PostIsolation2_Drive4 Q1_PostIsolation2_Drive4 Q2_PostIsolation2_Drive4 Q3_PostIsolation2_Drive4 R22_PostIsolation2_Drive4 R23_PostIsolation2_Drive4 R24_PostIsolation2_Drive4 R25_PostIsolation2_Drive4 R26_PostIsolation2_Drive4 R27_PostIsolation2_Drive4 R28_PostIsolation2_Drive4
component class PostIsolation2_Drive3: C27_PostIsolation2_Drive3 C28_PostIsolation2_Drive3 D5_PostIsolation2_Drive3 D6_PostIsolation2_Drive3 Q1_PostIsolation2_Drive3 Q2_PostIsolation2_Drive3 Q3_PostIsolation2_Drive3 R22_PostIsolation2_Drive3 R23_PostIsolation2_Drive3 R24_PostIsolation2_Drive3 R25_PostIsolation2_Drive3 R26_PostIsolation2_Drive3 R27_PostIsolation2_Drive3 R28_PostIsolation2_Drive3
component class PostIsolation2_Drive2: C27_PostIsolation2_Drive2 C28_PostIsolation2_Drive2 D5_PostIsolation2_Drive2 D6_PostIsolation2_Drive2 Q1_PostIsolation2_Drive2 Q2_PostIsolation2_Drive2 Q3_PostIsolation2_Drive2 R22_PostIsolation2_Drive2 R23_PostIsolation2_Drive2 R24_PostIsolation2_Drive2 R25_PostIsolation2_Drive2 R26_PostIsolation2_Drive2 R27_PostIsolation2_Drive2 R28_PostIsolation2_Drive2
component class PostIsolation2_Drive1: C27_PostIsolation2_Drive1 C28_PostIsolation2_Drive1 D5_PostIsolation2_Drive1 D6_PostIsolation2_Drive1 Q1_PostIsolation2_Drive1 Q2_PostIsolation2_Drive1 Q3_PostIsolation2_Drive1 R22_PostIsolation2_Drive1 R23_PostIsolation2_Drive1 R24_PostIsolation2_Drive1 R25_PostIsolation2_Drive1 R26_PostIsolation2_Drive1 R27_PostIsolation2_Drive1 R28_PostIsolation2_Drive1
component class PostIsolation1_Isolation1: C15_PostIsolation1_Isolation1 C16_PostIsolation1_Isolation1 C17_PostIsolation1_Isolation1 C18_PostIsolation1_Isolation1 C19_PostIsolation1_Isolation1 C20_PostIsolation1_Isolation1 C21_PostIsolation1_Isolation1 C22_PostIsolation1_Isolation1 D1_PostIsolation1_Isolation1 D2_PostIsolation1_Isolation1 D3_PostIsolation1_Isolation1 D4_PostIsolation1_Isolation1 R14_PostIsolation1_Isolation1 R15_PostIsolation1_Isolation1 R16_PostIsolation1_Isolation1 R17_PostIsolation1_Isolation1 R18_PostIsolation1_Isolation1 R19_PostIsolation1_Isolation1 R20_PostIsolation1_Isolation1 R21_PostIsolation1_Isolation1 U2_PostIsolation1_Isolation1 U3_PostIsolation1_Isolation1
component class PostIsolation1_Interface1: C23_PostIsolation1_Interface1 C24_PostIsolation1_Interface1 C25_PostIsolation1_Interface1 C26_PostIsolation1_Interface1 J2_PostIsolation1_Interface1
component class PostIsolation1_Drive4: C27_PostIsolation1_Drive4 C28_PostIsolation1_Drive4 D5_PostIsolation1_Drive4 D6_PostIsolation1_Drive4 Q1_PostIsolation1_Drive4 Q2_PostIsolation1_Drive4 Q3_PostIsolation1_Drive4 R22_PostIsolation1_Drive4 R23_PostIsolation1_Drive4 R24_PostIsolation1_Drive4 R25_PostIsolation1_Drive4 R26_PostIsolation1_Drive4 R27_PostIsolation1_Drive4 R28_PostIsolation1_Drive4
component class PostIsolation1_Drive3: C27_PostIsolation1_Drive3 C28_PostIsolation1_Drive3 D5_PostIsolation1_Drive3 D6_PostIsolation1_Drive3 Q1_PostIsolation1_Drive3 Q2_PostIsolation1_Drive3 Q3_PostIsolation1_Drive3 R22_PostIsolation1_Drive3 R23_PostIsolation1_Drive3 R24_PostIsolation1_Drive3 R25_PostIsolation1_Drive3 R26_PostIsolation1_Drive3 R27_PostIsolation1_Drive3 R28_PostIsolation1_Drive3